# KiCad board panel.kicad_pcb (continued)
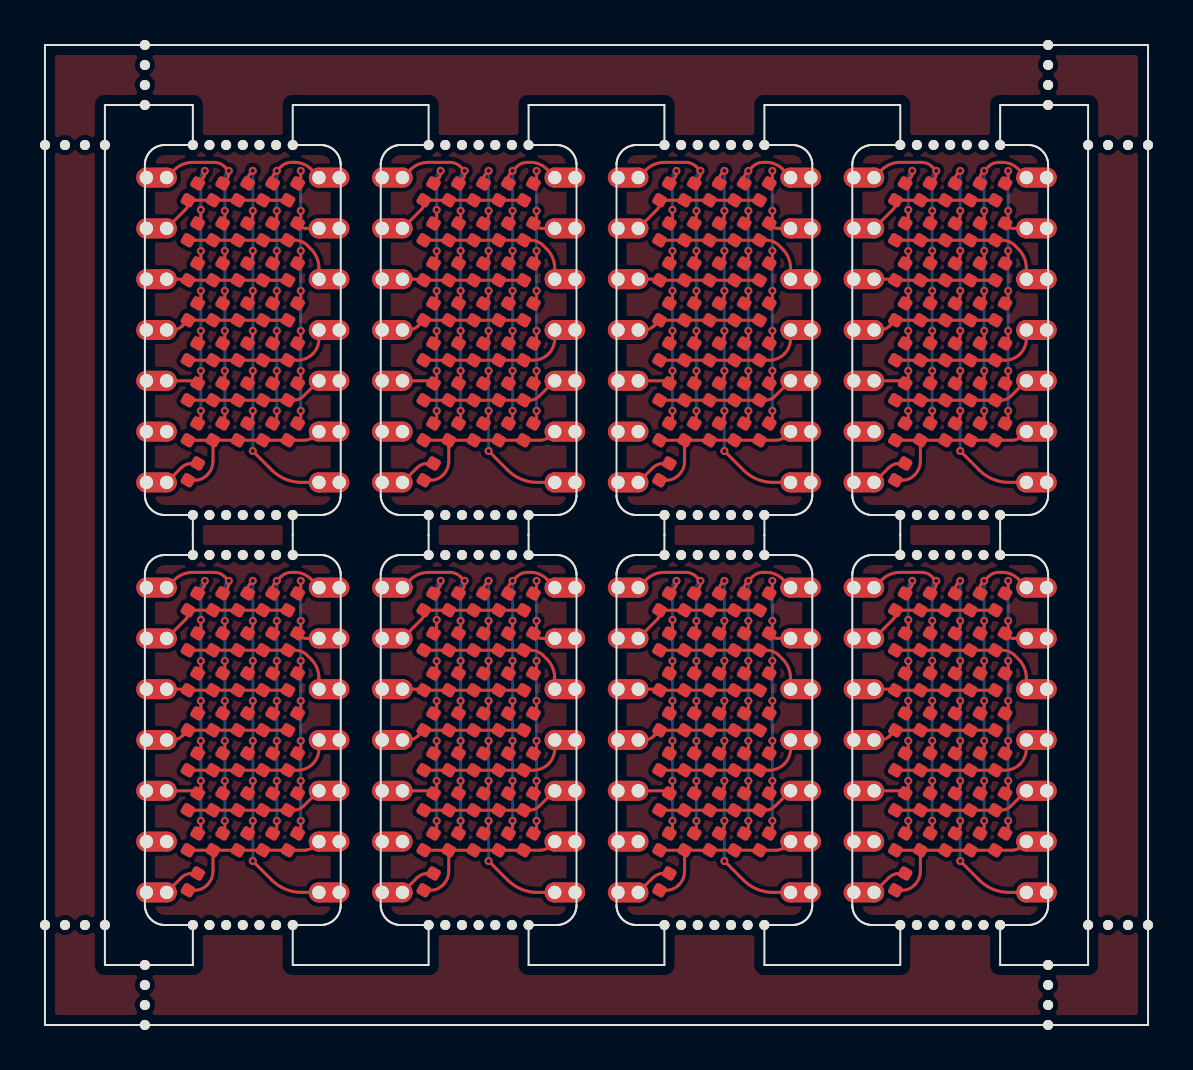
[diagram p0: board, top side]
## Routing (per net, layer and track width the routed paths; a pad name or vN(x,y) marks a point on that pad's centre or on a via; arc(x,y) is an arc through that point) (continued)
Board_4-C3: length 22.9
  Top w0.15: v1(10.4,14.21) 10.4,14.02 arc(10.37,13.85) 10.27,13.71 D19#5.2 ; D17#3.2 10.27,17.71 arc(10.37,17.85) 10.4,18.02 v1(10.4,18.21) ; v1(10.4,8.2) 11.35,7.25 arc(12.04,6.79) 12.84,6.63 J3#3.8 ; v1(10.4,12.21) 10.4,12.02 arc(10.37,11.85) 10.27,11.71 D20.2 ; D21#7.2 10.27,9.71 arc(10.37,9.85) 10.4,10.02 v1(10.4,10.21) ; v1(10.4,16.21) 10.4,16.02 arc(10.37,15.85) 10.27,15.71 D18#2.2 ; v1(10.4,20.21) 10.4,20.02 arc(10.37,19.85) 10.27,19.71 D16#6.2 ; v1(10.4,22.21) 10.27,22.08 arc(10.18,21.94) 10.14,21.77 D15#8.2
  Bottom w0.15: v1(10.4,8.2) v1(10.4,10.21) v1(10.4,12.21) v1(10.4,14.21) v1(10.4,16.21) v1(10.4,18.21) v1(10.4,20.21) v1(10.4,22.21)
Board_4-C4: length 19.4
  Top w0.15: D24#4.2 11.5,17.68 arc(11.57,17.8) 11.6,17.93 v1(11.6,18.21) ; v1(11.6,20.21) 11.6,19.93 arc(11.57,19.8) 11.5,19.68 D23#3.2 ; J3#3.14 13.71,21.88 arc(13.71,21.9) 13.7,21.91 13.31,22.3 arc(12.94,22.55) 12.5,22.63 12.33,22.63 arc(12.05,22.58) 11.81,22.42 v1(11.6,22.21) 11.5,22.1 arc(11.42,21.99) 11.39,21.85 D22#5.2 ; v1(11.6,16.21) 11.6,15.93 arc(11.57,15.8) 11.5,15.68 D25#4.2 ; v1(11.6,12.21) 11.6,11.93 arc(11.57,11.8) 11.5,11.68 D27#8.2 ; D26#5.2 11.5,13.68 arc(11.57,13.8) 11.6,13.93 v1(11.6,14.21) ; v1(11.6,10.21) 11.6,9.93 arc(11.57,9.8) 11.5,9.68 D28#3.2
  Bottom w0.15: v1(11.6,10.21) v1(11.6,12.21) v1(11.6,14.21) v1(11.6,16.21) v1(11.6,18.21) v1(11.6,20.21) v1(11.6,22.21)
Board_4-C5: length 18
  Top w0.15: v1(12.8,12.21) 12.8,11.85 arc(12.78,11.74) 12.72,11.66 D34#3.2 ; v1(12.8,22.21) 12.8,21.85 arc(12.78,21.74) 12.72,21.66 D29#8.2 ; D31#8.2 12.72,17.66 arc(12.78,17.74) 12.8,17.85 v1(12.8,18.21) ; v1(12.8,16.21) 12.8,15.85 arc(12.78,15.74) 12.72,15.66 D32#3.2 ; v1(12.8,14.21) 12.8,13.85 arc(12.78,13.74) 12.72,13.66 D33#3.2 ; J3#3.13 13.07,19.33 arc(12.9,19.36) 12.77,19.45 D30#3.2 12.72,19.66 arc(12.78,19.74) 12.8,19.85 v1(12.8,20.21) 12.84,20.24 ; D35.2 12.72,9.66 arc(12.78,9.74) 12.8,9.85 v1(12.8,10.21)
  Bottom w0.15: v1(12.8,10.21) v1(12.8,12.21) v1(12.8,14.21) v1(12.8,16.21) v1(12.8,18.21) v1(12.8,20.21) v1(12.8,22.21)
Board_4-DP: length 1.9
  Top w0.15: 7.63,7.59 7.64,7.59 arc(7.64,7.58) 7.63,7.58 7.34,7.58 arc(7.06,7.52) 6.82,7.36 J3#3.7
Board_4-R1: length 6.8
  Top w0.15: D29#8.1 D15#8.1 D8.1 D1#4.1 7.16,20.57 arc(7.13,20.41) 7.04,20.28 J3#3.2
Board_4-R2: length 8
  Top w0.15: J3#3.12 13.71,17.34 arc(13.61,17.86) 13.32,18.29 13.12,18.49 arc(12.84,18.67) 12.51,18.74 D30#3.1 D23#3.1 D16#6.1 D9#5.1 7.03,18.74
Board_4-R3: length 6.1
  Top w0.15: D3#4.1 D10#8.1 D17#3.1 D31#8.1 ; J3#3.3 7.07,16.79 arc(7.1,16.78) 7.13,16.76 arc(7.13,16.75) 7.12,16.74 7.07,16.74
Board_4-R4: length 6.2
  Top w0.15: J3#3.4 6.38,14.25 arc(6.65,14.3) 6.87,14.45 D4#6.1 D11.1 D18#2.1 D25#4.1 D32#3.1
Board_4-R5: length 7.6
  Top w0.15: D5.1 D12#3.1 D19#5.1 D26#5.1 D33#3.1 12.64,12.74 arc(13.05,12.82) 13.4,13.05 13.4,13.05 arc(13.63,13.4) 13.71,13.81 J3#3.11
Board_4-R6: length 6.9
  Top w0.15: J3#3.10 13.71,11.71 arc(13.7,11.71) 13.7,11.71 12.93,10.94 arc(12.71,10.79) 12.44,10.74 D34#3.1 D27#8.1 D20.1 D13.1 D6#5.1
Board_4-R7: length 9.5
  Top w0.15: D14#6.1 D21#7.1 D28#3.1 D35.1 12.97,8.74 arc(13.25,8.79) 13.49,8.95 J3#3.9 ; D14#6.1 8.41,7.69 arc(8.34,7.33) 8.13,7.02 8.09,6.98 arc(7.82,6.8) 7.5,6.74 D36#6.1 ; D14#6.1 D7.1
Board_5-C1: length 18.6
  Top w0.15: D3#8.2 19.52,17.66 arc(19.58,17.74) 19.6,17.85 v1(19.6,18.2) ; D1.2 19.7,21.84 arc(19.77,21.95) 19.8,22.07 v1(19.8,22.21) ; D5#2.2 19.52,13.66 arc(19.58,13.74) 19.6,13.85 v1(19.6,14.21) ; v1(19.6,10.21) 19.6,9.85 arc(19.58,9.74) 19.52,9.66 D7#2.2 ; v1(19.6,12.21) 19.6,11.85 arc(19.58,11.74) 19.52,11.66 D6#6.2 19.38,11.64 arc(19.3,11.69) 19.22,11.71 J3#7.5 ; D4#2.2 19.52,15.66 arc(19.58,15.74) 19.6,15.85 v1(19.6,16.21) ; D2.2 19.52,19.66 arc(19.58,19.74) 19.6,19.85 v1(19.6,20.26)
  Bottom w0.15: v1(19.6,10.21) v1(19.6,12.21) v1(19.6,14.21) v1(19.6,16.21) v1(19.6,18.2) v1(19.6,20.26) 19.6,21.87 arc(19.63,22) 19.7,22.11 v1(19.8,22.21)
Board_5-C2: length 20.3
  Top w0.15: v1(20.8,16.21) 20.8,15.76 arc(20.79,15.69) 20.75,15.63 D11#3.2 ; D8#5.2 20.89,21.77 arc(20.97,21.9) 21,22.05 v1(21,22.21) 20.79,22.42 arc(20.55,22.58) 20.27,22.63 19.19,22.63 arc(18.69,22.53) 18.27,22.25 J3#7.1 ; D9#2.2 20.75,19.63 arc(20.79,19.69) 20.8,19.76 v1(20.8,20.21) ; v1(20.8,14.21) 20.8,13.76 arc(20.79,13.69) 20.75,13.63 D12#7.2 ; v1(20.8,10.21) 20.8,9.76 arc(20.79,9.69) 20.75,9.63 D14#8.2 ; D13#2.2 20.75,11.63 arc(20.79,11.69) 20.8,11.76 v1(20.8,12.21) ; v1(20.8,18.21) 20.8,17.76 arc(20.79,17.69) 20.75,17.63 D10#3.2
  Bottom w0.15: v1(20.8,10.21) v1(20.8,12.21) v1(20.8,14.21) v1(20.8,16.21) v1(20.8,18.21) v1(20.8,20.21) 20.8,21.87 arc(20.83,22) 20.9,22.11 v1(21,22.21)
Board_5-C3: length 22.9
  Top w0.15: D17#8.2 22.07,17.71 arc(22.17,17.85) 22.2,18.02 v1(22.2,18.21) ; D20#4.2 22.07,11.71 arc(22.17,11.85) 22.2,12.02 v1(22.2,12.21) ; v1(22.2,8.2) 23.15,7.25 arc(23.84,6.79) 24.64,6.63 J3#7.8 ; D16#7.2 22.07,19.71 arc(22.17,19.85) 22.2,20.02 v1(22.2,20.21) ; D18#4.2 22.07,15.71 arc(22.17,15.85) 22.2,16.02 v1(22.2,16.21) ; D15#3.2 21.94,21.77 arc(21.98,21.94) 22.07,22.08 v1(22.2,22.21) ; D21#3.2 22.07,9.71 arc(22.17,9.85) 22.2,10.02 v1(22.2,10.21) ; v1(22.2,14.21) 22.2,14.02 arc(22.17,13.85) 22.07,13.71 D19.2
  Bottom w0.15: v1(22.2,8.2) v1(22.2,10.21) v1(22.2,12.21) v1(22.2,14.21) v1(22.2,16.21) v1(22.2,18.21) v1(22.2,20.21) v1(22.2,22.21)
Board_5-C4: length 19.4
  Top w0.15: v1(23.4,10.21) 23.4,9.93 arc(23.37,9.8) 23.3,9.68 D28.2 ; D26#6.2 23.3,13.68 arc(23.37,13.8) 23.4,13.93 v1(23.4,14.21) ; D27.2 23.3,11.68 arc(23.37,11.8) 23.4,11.93 v1(23.4,12.21) ; D24.2 23.3,17.68 arc(23.37,17.8) 23.4,17.93 v1(23.4,18.21) ; D22#6.2 23.19,21.85 arc(23.22,21.99) 23.3,22.1 v1(23.4,22.21) 23.61,22.42 arc(23.85,22.58) 24.13,22.63 24.3,22.63 arc(24.74,22.55) 25.11,22.3 25.5,21.91 arc(25.51,21.9) 25.51,21.88 J3#7.14 ; D25#6.2 23.3,15.68 arc(23.37,15.8) 23.4,15.93 v1(23.4,16.21) ; D23#8.2 23.3,19.68 arc(23.37,19.8) 23.4,19.93 v1(23.4,20.21)
  Bottom w0.15: v1(23.4,10.21) v1(23.4,12.21) v1(23.4,14.21) v1(23.4,16.21) v1(23.4,18.21) v1(23.4,20.21) v1(23.4,22.21)
Board_5-C5: length 18
  Top w0.15: 24.63,20.24 v1(24.6,20.21) 24.6,19.85 arc(24.58,19.74) 24.52,19.66 D30#2.2 24.57,19.45 arc(24.7,19.36) 24.87,19.33 J3#7.13 ; D35#6.2 24.52,9.66 arc(24.58,9.74) 24.6,9.85 v1(24.6,10.21) ; D34#4.2 24.52,11.66 arc(24.58,11.74) 24.6,11.85 v1(24.6,12.21) ; v1(24.6,16.21) 24.6,15.85 arc(24.58,15.74) 24.52,15.66 D32.2 ; v1(24.6,22.21) 24.6,21.85 arc(24.58,21.74) 24.52,21.66 D29#5.2 ; v1(24.6,18.21) 24.6,17.85 arc(24.58,17.74) 24.52,17.66 D31#4.2 ; v1(24.6,14.21) 24.6,13.85 arc(24.58,13.74) 24.52,13.66 D33#6.2
  Bottom w0.15: v1(24.6,22.21) v1(24.6,20.21) v1(24.6,18.21) v1(24.6,16.21) v1(24.6,14.21) v1(24.6,12.21) v1(24.6,10.21)
Board_5-DP: length 1.9
  Top w0.15: J3#7.7 18.62,7.36 arc(18.86,7.52) 19.14,7.58 19.43,7.58 arc(19.44,7.58) 19.44,7.59 19.43,7.59
Board_5-R1: length 6.8
  Top w0.15: D29#5.1 D15#3.1 D8#5.1 D1.1 18.96,20.57 arc(18.93,20.41) 18.84,20.28 J3#7.2
Board_5-R2: length 8
  Top w0.15: 18.84,18.74 D9#2.1 D16#7.1 D23#8.1 D30#2.1 24.31,18.74 arc(24.64,18.67) 24.92,18.49 25.12,18.29 arc(25.41,17.86) 25.51,17.34 J3#7.12
Board_5-R3: length 6.1
  Top w0.15: D3#8.1 D10#3.1 D17#8.1 D31#4.1 ; 18.87,16.74 18.92,16.74 arc(18.93,16.75) 18.93,16.76 arc(18.9,16.78) 18.87,16.79 J3#7.3
Board_5-R4: length 6.2
  Top w0.15: D32.1 D25#6.1 D18#4.1 D11#3.1 D4#2.1 18.67,14.45 arc(18.45,14.3) 18.18,14.25 J3#7.4
Board_5-R5: length 7.6
  Top w0.15: J3#7.11 25.51,13.81 arc(25.43,13.4) 25.2,13.05 25.2,13.05 arc(24.85,12.82) 24.44,12.74 D33#6.1 D26#6.1 D19.1 D12#7.1 D5#2.1
Board_5-R6: length 6.9
  Top w0.15: J3#7.10 25.51,11.71 arc(25.5,11.71) 25.5,11.71 24.73,10.94 arc(24.51,10.79) 24.24,10.74 D34#4.1 D27.1 D20#4.1 D13#2.1 D6#6.1
Board_5-R7: length 9.5
  Top w0.15: D14#8.1 20.21,7.69 arc(20.14,7.33) 19.93,7.02 19.89,6.98 arc(19.62,6.8) 19.3,6.74 D36#5.1 ; D14#8.1 D7#2.1 ; D14#8.1 D21#3.1 D28.1 D35#6.1 24.77,8.74 arc(25.05,8.79) 25.29,8.95 J3#7.9
Board_6-C1: length 18.6
  Top w0.15: D2#7.2 31.32,19.66 arc(31.38,19.74) 31.4,19.85 v1(31.4,20.26) ; v1(31.4,14.21) 31.4,13.85 arc(31.38,13.74) 31.32,13.66 D5#5.2 ; v1(31.4,18.2) 31.4,17.85 arc(31.38,17.74) 31.32,17.66 D3.2 ; D4.2 31.32,15.66 arc(31.38,15.74) 31.4,15.85 v1(31.4,16.21) ; v1(31.6,22.21) 31.6,22.07 arc(31.57,21.95) 31.5,21.84 D1#3.2 ; v1(31.4,10.21) 31.4,9.85 arc(31.38,9.74) 31.32,9.66 D7#6.2 ; J3.5 31.02,11.71 arc(31.1,11.69) 31.18,11.64 D6#3.2 31.32,11.66 arc(31.38,11.74) 31.4,11.85 v1(31.4,12.21)
  Bottom w0.15: v1(31.4,10.21) v1(31.4,12.21) v1(31.4,14.21) v1(31.4,16.21) v1(31.4,18.2) v1(31.4,20.26) 31.4,21.87 arc(31.43,22) 31.5,22.11 v1(31.6,22.21)
Board_6-C2: length 20.3
  Top w0.15: D8#4.2 32.69,21.77 arc(32.77,21.9) 32.8,22.05 v1(32.8,22.21) 32.59,22.42 arc(32.35,22.58) 32.07,22.63 30.99,22.63 arc(30.49,22.53) 30.07,22.25 J3.1 ; D11#8.2 32.55,15.63 arc(32.59,15.69) 32.6,15.76 v1(32.6,16.21) ; D9#7.2 32.55,19.63 arc(32.59,19.69) 32.6,19.76 v1(32.6,20.21) ; D14#4.2 32.55,9.63 arc(32.59,9.69) 32.6,9.76 v1(32.6,10.21) ; D10#7.2 32.55,17.63 arc(32.59,17.69) 32.6,17.76 v1(32.6,18.21) ; D13#4.2 32.55,11.63 arc(32.59,11.69) 32.6,11.76 v1(32.6,12.21) ; v1(32.6,14.21) 32.6,13.76 arc(32.59,13.69) 32.55,13.63 D12#6.2
  Bottom w0.15: v1(32.6,10.21) v1(32.6,12.21) v1(32.6,14.21) v1(32.6,16.21) v1(32.6,18.21) v1(32.6,20.21) 32.6,21.87 arc(32.63,22) 32.7,22.11 v1(32.8,22.21)
Board_6-C3: length 22.9
  Top w0.15: D21#5.2 33.87,9.71 arc(33.97,9.85) 34,10.02 v1(34,10.21) ; D16#8.2 33.87,19.71 arc(33.97,19.85) 34,20.02 v1(34,20.21) ; D19#4.2 33.87,13.71 arc(33.97,13.85) 34,14.02 v1(34,14.21) ; v1(34,12.21) 34,12.02 arc(33.97,11.85) 33.87,11.71 D20#2.2 ; D18#5.2 33.87,15.71 arc(33.97,15.85) 34,16.02 v1(34,16.21) ; v1(34,8.2) 34.95,7.25 arc(35.64,6.79) 36.44,6.63 J3.8 ; v1(34,18.21) 34,18.02 arc(33.97,17.85) 33.87,17.71 D17.2 ; v1(34,22.21) 33.87,22.08 arc(33.78,21.94) 33.74,21.77 D15.2
  Bottom w0.15: v1(34,8.2) v1(34,10.21) v1(34,12.21) v1(34,14.21) v1(34,16.21) v1(34,18.21) v1(34,20.21) v1(34,22.21)
Board_6-C4: length 19.4
  Top w0.15: D26#8.2 35.1,13.68 arc(35.17,13.8) 35.2,13.93 v1(35.2,14.21) ; J3.14 37.31,21.88 arc(37.31,21.9) 37.3,21.91 36.91,22.3 arc(36.54,22.55) 36.1,22.63 35.93,22.63 arc(35.65,22.58) 35.41,22.42 v1(35.2,22.21) 35.1,22.1 arc(35.02,21.99) 34.99,21.85 D22#8.2 ; D24#8.2 35.1,17.68 arc(35.17,17.8) 35.2,17.93 v1(35.2,18.21) ; v1(35.2,16.21) 35.2,15.93 arc(35.17,15.8) 35.1,15.68 D25#8.2 ; v1(35.2,20.21) 35.2,19.93 arc(35.17,19.8) 35.1,19.68 D23#2.2 ; D27#7.2 35.1,11.68 arc(35.17,11.8) 35.2,11.93 v1(35.2,12.21) ; v1(35.2,10.21) 35.2,9.93 arc(35.17,9.8) 35.1,9.68 D28#5.2
  Bottom w0.15: v1(35.2,22.21) v1(35.2,20.21) v1(35.2,18.21) v1(35.2,16.21) v1(35.2,14.21) v1(35.2,12.21) v1(35.2,10.21)
Board_6-C5: length 18
  Top w0.15: 36.44,20.24 v1(36.4,20.21) 36.4,19.85 arc(36.38,19.74) 36.32,19.66 D30#6.2 36.37,19.45 arc(36.5,19.36) 36.67,19.33 J3.13 ; D29#6.2 36.32,21.66 arc(36.38,21.74) 36.4,21.85 v1(36.4,22.21) ; D34#6.2 36.32,11.66 arc(36.38,11.74) 36.4,11.85 v1(36.4,12.21) ; D31#6.2 36.32,17.66 arc(36.38,17.74) 36.4,17.85 v1(36.4,18.21) ; D32#6.2 36.32,15.66 arc(36.38,15.74) 36.4,15.85 v1(36.4,16.21) ; v1(36.4,14.21) 36.4,13.85 arc(36.38,13.74) 36.32,13.66 D33#2.2 ; v1(36.4,10.21) 36.4,9.85 arc(36.38,9.74) 36.32,9.66 D35#7.2
  Bottom w0.15: v1(36.4,10.21) v1(36.4,12.21) v1(36.4,14.21) v1(36.4,16.21) v1(36.4,18.21) v1(36.4,20.21) v1(36.4,22.21)
Board_6-DP: length 1.9
  Top w0.15: J3.7 30.42,7.36 arc(30.66,7.52) 30.94,7.58 31.23,7.58 arc(31.24,7.58) 31.24,7.59 31.23,7.59
Board_6-R1: length 6.8
  Top w0.15: D29#6.1 D15.1 D8#4.1 D1#3.1 30.76,20.57 arc(30.73,20.41) 30.64,20.28 J3.2
Board_6-R2: length 8
  Top w0.15: 30.63,18.74 D9#7.1 D16#8.1 D23#2.1 D30#6.1 36.11,18.74 arc(36.44,18.67) 36.72,18.49 36.92,18.29 arc(37.21,17.86) 37.31,17.34 J3.12
Board_6-R3: length 6.1
  Top w0.15: 30.67,16.74 30.72,16.74 arc(30.73,16.75) 30.73,16.76 arc(30.7,16.78) 30.67,16.79 J3.3 ; D3.1 D10#7.1 D17.1 D31#6.1
Board_6-R4: length 6.2
  Top w0.15: D32#6.1 D25#8.1 D18#5.1 D11#8.1 D4.1 30.47,14.45 arc(30.25,14.3) 29.98,14.25 J3.4
Board_6-R5: length 7.6
  Top w0.15: D5#5.1 D12#6.1 D19#4.1 D26#8.1 D33#2.1 36.24,12.74 arc(36.65,12.82) 37,13.05 37,13.05 arc(37.23,13.4) 37.31,13.81 J3.11
Board_6-R6: length 6.9
  Top w0.15: D6#3.1 D13#4.1 D20#2.1 D27#7.1 D34#6.1 36.04,10.74 arc(36.31,10.79) 36.53,10.94 37.3,11.71 arc(37.3,11.71) 37.31,11.71 J3.10
Board_6-R7: length 9.5
  Top w0.15: D14#4.1 D7#6.1 ; D14#4.1 D21#5.1 D28#5.1 D35#7.1 36.57,8.74 arc(36.85,8.79) 37.09,8.95 J3.9 ; D14#4.1 32.01,7.69 arc(31.94,7.33) 31.73,7.02 31.69,6.98 arc(31.42,6.8) 31.1,6.74 D36#8.1
Board_7-C1: length 18.6
  Top w0.15: v1(43.2,14.21) 43.2,13.85 arc(43.18,13.74) 43.12,13.66 D5#7.2 ; D4#8.2 43.12,15.66 arc(43.18,15.74) 43.2,15.85 v1(43.2,16.21) ; D7#7.2 43.12,9.66 arc(43.18,9.74) 43.2,9.85 v1(43.2,10.21) ; v1(43.2,12.21) 43.2,11.85 arc(43.18,11.74) 43.12,11.66 D6.2 42.98,11.64 arc(42.9,11.69) 42.82,11.71 J3#6.5 ; v1(43.2,18.2) 43.2,17.85 arc(43.18,17.74) 43.12,17.66 D3#3.2 ; D1#7.2 43.3,21.84 arc(43.37,21.95) 43.4,22.07 v1(43.4,22.21) ; D2#4.2 43.12,19.66 arc(43.18,19.74) 43.2,19.85 v1(43.2,20.26)
  Bottom w0.15: v1(43.4,22.21) 43.3,22.11 arc(43.23,22) 43.2,21.87 v1(43.2,20.26) v1(43.2,18.2) v1(43.2,16.21) v1(43.2,14.21) v1(43.2,12.21) v1(43.2,10.21)
Board_7-C2: length 20.3
  Top w0.15: D12#8.2 44.35,13.63 arc(44.39,13.69) 44.4,13.76 v1(44.4,14.21) ; D10#5.2 44.35,17.63 arc(44.39,17.69) 44.4,17.76 v1(44.4,18.21) ; v1(44.4,20.21) 44.4,19.76 arc(44.39,19.69) 44.35,19.63 D9.2 ; v1(44.4,12.21) 44.4,11.76 arc(44.39,11.69) 44.35,11.63 D13#8.2 ; D14#3.2 44.35,9.63 arc(44.39,9.69) 44.4,9.76 v1(44.4,10.21) ; v1(44.4,16.21) 44.4,15.76 arc(44.39,15.69) 44.35,15.63 D11#4.2 ; D8#7.2 44.49,21.77 arc(44.57,21.9) 44.6,22.05 v1(44.6,22.21) 44.39,22.42 arc(44.15,22.58) 43.87,22.63 42.79,22.63 arc(42.29,22.53) 41.87,22.25 J3#6.1
  Bottom w0.15: v1(44.6,22.21) 44.5,22.11 arc(44.43,22) 44.4,21.87 v1(44.4,20.21) v1(44.4,18.21) v1(44.4,16.21) v1(44.4,14.21) v1(44.4,12.21) v1(44.4,10.21)
Board_7-C3: length 22.9
  Top w0.15: v1(45.8,22.21) 45.67,22.08 arc(45.58,21.94) 45.54,21.77 D15#5.2 ; v1(45.8,8.2) 46.75,7.25 arc(47.44,6.79) 48.24,6.63 J3#6.8 ; v1(45.8,18.21) 45.8,18.02 arc(45.77,17.85) 45.67,17.71 D17#4.2 ; D19#7.2 45.67,13.71 arc(45.77,13.85) 45.8,14.02 v1(45.8,14.21) ; v1(45.8,12.21) 45.8,12.02 arc(45.77,11.85) 45.67,11.71 D20#8.2 ; v1(45.8,16.21) 45.8,16.02 arc(45.77,15.85) 45.67,15.71 D18#8.2 ; D16#3.2 45.67,19.71 arc(45.77,19.85) 45.8,20.02 v1(45.8,20.21) ; D21#2.2 45.67,9.71 arc(45.77,9.85) 45.8,10.02 v1(45.8,10.21)
  Bottom w0.15: v1(45.8,22.21) v1(45.8,20.21) v1(45.8,18.21) v1(45.8,16.21) v1(45.8,14.21) v1(45.8,12.21) v1(45.8,10.21) v1(45.8,8.2)
Board_7-C4: length 19.4
  Top w0.15: v1(47,14.21) 47,13.93 arc(46.97,13.8) 46.9,13.68 D26#4.2 ; v1(47,20.21) 47,19.93 arc(46.97,19.8) 46.9,19.68 D23.2 ; D22#3.2 46.79,21.85 arc(46.82,21.99) 46.9,22.1 v1(47,22.21) 47.21,22.42 arc(47.45,22.58) 47.73,22.63 47.9,22.63 arc(48.34,22.55) 48.71,22.3 49.1,21.91 arc(49.11,21.9) 49.11,21.88 J3#6.14 ; v1(47,10.21) 47,9.93 arc(46.97,9.8) 46.9,9.68 D28#6.2 ; v1(47,16.21) 47,15.93 arc(46.97,15.8) 46.9,15.68 D25#2.2 ; v1(47,18.21) 47,17.93 arc(46.97,17.8) 46.9,17.68 D24#7.2 ; v1(47,12.21) 47,11.93 arc(46.97,11.8) 46.9,11.68 D27#4.2
  Bottom w0.15: v1(47,22.21) v1(47,20.21) v1(47,18.21) v1(47,16.21) v1(47,14.21) v1(47,12.21) v1(47,10.21)
Board_7-C5: length 18
  Top w0.15: D35#2.2 48.12,9.66 arc(48.18,9.74) 48.2,9.85 v1(48.2,10.21) ; J3#6.13 48.47,19.33 arc(48.3,19.36) 48.17,19.45 D30#7.2 48.12,19.66 arc(48.18,19.74) 48.2,19.85 v1(48.2,20.21) 48.23,20.24 ; D34#7.2 48.12,11.66 arc(48.18,11.74) 48.2,11.85 v1(48.2,12.21) ; D33#5.2 48.12,13.66 arc(48.18,13.74) 48.2,13.85 v1(48.2,14.21) ; v1(48.2,18.21) 48.2,17.85 arc(48.18,17.74) 48.12,17.66 D31#2.2 ; v1(48.2,16.21) 48.2,15.85 arc(48.18,15.74) 48.12,15.66 D32#4.2 ; D29#3.2 48.12,21.66 arc(48.18,21.74) 48.2,21.85 v1(48.2,22.21)
  Bottom w0.15: v1(48.2,10.21) v1(48.2,12.21) v1(48.2,14.21) v1(48.2,16.21) v1(48.2,18.21) v1(48.2,20.21) v1(48.2,22.21)
Board_7-DP: length 1.9
  Top w0.15: J3#6.7 42.22,7.36 arc(42.46,7.52) 42.74,7.58 43.03,7.58 arc(43.04,7.58) 43.04,7.59 43.03,7.59
Board_7-R1: length 6.8
  Top w0.15: D29#3.1 D15#5.1 D8#7.1 D1#7.1 42.56,20.57 arc(42.53,20.41) 42.44,20.28 J3#6.2
Board_7-R2: length 8
  Top w0.15: 42.44,18.74 D9.1 D16#3.1 D23.1 D30#7.1 47.91,18.74 arc(48.24,18.67) 48.52,18.49 48.72,18.29 arc(49.01,17.86) 49.11,17.34 J3#6.12
Board_7-R3: length 6.1
  Top w0.15: D31#2.1 D17#4.1 D10#5.1 D3#3.1 ; 42.47,16.74 42.52,16.74 arc(42.53,16.75) 42.53,16.76 arc(42.5,16.78) 42.47,16.79 J3#6.3
Board_7-R4: length 6.2
  Top w0.15: D32#4.1 D25#2.1 D18#8.1 D11#4.1 D4#8.1 42.27,14.45 arc(42.05,14.3) 41.78,14.25 J3#6.4
Board_7-R5: length 7.6
  Top w0.15: D5#7.1 D12#8.1 D19#7.1 D26#4.1 D33#5.1 48.04,12.74 arc(48.45,12.82) 48.8,13.05 48.8,13.05 arc(49.03,13.4) 49.11,13.81 J3#6.11
Board_7-R6: length 6.9
  Top w0.15: J3#6.10 49.11,11.71 arc(49.1,11.71) 49.1,11.71 48.33,10.94 arc(48.11,10.79) 47.84,10.74 D34#7.1 D27#4.1 D20#8.1 D13#8.1 D6.1
Board_7-R7: length 9.5
  Top w0.15: D14#3.1 D21#2.1 D28#6.1 D35#2.1 48.37,8.74 arc(48.65,8.79) 48.89,8.95 J3#6.9 ; D14#3.1 D7#7.1 ; D14#3.1 43.81,7.69 arc(43.74,7.33) 43.53,7.02 43.49,6.98 arc(43.22,6.8) 42.9,6.74 D36#2.1

## Copper pours and planes (outline as drawn; the poured copper is in the pictures)
(no net) on Top: 23.7,25 19.7,25 19.7,24 23.7,24
(no net) on Top: 35.5,25 31.5,25 31.5,24 35.5,24
(no net) on Top: 54.7,48.5 0.5,48.5 0.5,0.5 54.7,0.5 ; 1 cut-out
(no net) on Top: 11.9,25 7.9,25 7.9,24 11.9,24
(no net) on Top: 47.3,25 43.3,25 43.3,24 47.3,24
(no net) on Top, Bottom: 28.6,44 38.4,44 38.4,25.5 28.6,25.5
(no net) on Top, Bottom: 28.6,23.5 38.4,23.5 38.4,5 28.6,5
(no net) on Top, Bottom: 5,44 14.8,44 14.8,25.5 5,25.5
(no net) on Top, Bottom: 5,23.5 14.8,23.5 14.8,5 5,5
(no net) on Top, Bottom: 16.8,23.5 26.6,23.5 26.6,5 16.8,5
(no net) on Top, Bottom: 16.8,44 26.6,44 26.6,25.5 16.8,25.5
(no net) on Top, Bottom: 40.4,44 50.2,44 50.2,25.5 40.4,25.5
(no net) on Top, Bottom: 40.4,23.5 50.2,23.5 50.2,5 40.4,5
(no net) on Bottom: 54.7,48.5 0.5,48.5 0.5,0.5 54.7,0.5 ; 1 cut-out
(no net) on Bottom: 35.5,25 31.5,25 31.5,24 35.5,24
(no net) on Bottom: 23.7,25 19.7,25 19.7,24 23.7,24
(no net) on Bottom: 47.3,25 43.3,25 43.3,24 47.3,24
(no net) on Bottom: 11.9,25 7.9,25 7.9,24 11.9,24

## Text on the board
B.Silkscreen: DIY-305 / Designed by / Ru-Pirie and Envious.Design
F.Mask: env
